# KiCad board 8851_HW-U1-VCU118_REV2-0_071417.kicad_pcb (continued)
## Routing (per net, layer and track width the routed paths; a pad name or vN(x,y) marks a point on that pad's centre or on a via; arc(x,y) is an arc through that point) (continued)
FMC_HPC1_LA13_N: length 142.9
  TOP w0.102: 132.62,48.57 v2(133.11,48.07) ; J2.D18 v3(152.9,159.5)
  18_SIG6 w0.075: 139.46,55.32 139.44,55.32 139.4,55.36 135.9,55.36 135.67,55.13 135.67,50.71 135.39,50.43 133.93,50.43 133.7,50.2 133.7,48.63 133.43,48.36 133.21,48.36 133.11,48.26 v2(133.11,48.07)
  18_SIG6 w0.087: v3(152.9,159.5) 153.66,160.26 154.59,160.26 154.91,159.94 154.91,155.44 159.38,150.97 159.38,146.31 158.53,145.46 158.53,144.81 158.69,144.65 158.97,144.65 159.38,144.25 159.38,140.43 161.04,138.76 161.04,131.95 159.81,130.72 159.81,129.78 161.25,128.35 161.25,127.25 164.02,124.48 164.02,116.28 162.3,114.56 161.15,114.56 159.59,113 159.59,111.93 158.16,110.49 158.16,109.38 156.76,107.98 156.35,107.98 155.96,107.58 155.96,106.36 156.69,105.63 156.69,104.89 155.98,104.18 155.98,102.83 153.55,100.4 152.24,100.4 151.98,100.14 151.98,99.51 151.45,98.98 150.66,98.98 150.35,98.68 147.89,98.68 146.95,97.73 146.95,96.85 148.11,95.68 148.11,92.31 143.56,87.76 143.56,70.49 139.8,66.73 139.8,59.98 140,59.78 140,55.66 139.67,55.32 139.46,55.32
FMC_HPC1_LA13_P: length 143.9
  TOP w0.102: 132.62,49.55 v2(133.11,49.06) ; J2.D17 v3(154.15,159.5)
  18_SIG6 w0.075: 139.46,55.59 139.43,55.56 135.82,55.56 135.47,55.21 135.47,50.79 135.31,50.63 133.93,50.63 133.93,50.64 133.8,50.64 133.5,50.33 133.5,50.29 133.5,49.3 133.5,48.71 133.35,48.56 133.19,48.56 133.11,48.64 v2(133.11,49.06)
  18_SIG6 w0.087: v3(154.15,159.5) 154.29,159.36 154.29,159.03 153.97,158.72 153.51,158.72 153.42,158.82 153.42,159.63 153.77,159.99 154.48,159.99 154.64,159.82 154.64,155.32 159.1,150.86 159.1,146.42 158.25,145.57 158.25,144.7 158.58,144.38 158.86,144.38 159.1,144.14 159.1,140.32 160.77,138.65 160.77,132.07 159.54,130.83 159.54,129.67 160.97,128.23 160.97,127.14 163.74,124.37 163.74,116.4 162.18,114.84 161.04,114.84 159.32,113.12 159.32,112.04 157.88,110.61 157.88,109.49 156.64,108.25 156.24,108.25 155.69,107.7 155.69,106.24 156.42,105.52 156.42,105.01 155.71,104.3 155.71,102.95 153.44,100.67 152.12,100.67 151.71,100.26 151.71,99.63 151.33,99.26 150.54,99.26 150.24,98.95 147.78,98.95 146.67,97.85 146.67,96.73 147.84,95.57 147.84,92.43 143.29,87.88 143.29,70.61 139.53,66.85 139.53,59.87 139.73,59.67 139.73,55.86 139.46,55.59
FMC_HPC1_LA14_N: length 143.5
  TOP w0.102: v3(151.65,158.25) J2.C19 ; 131.63,48.57 v2(132.12,48.07)
  20_SIG7 w0.075: v2(132.12,48.07) 131.54,48.66 131.54,50.28 131.38,50.44 130.8,50.44 130.55,50.69 130.55,62.19 130.8,62.44 132.31,62.44 132.52,62.65 132.52,66.09 132.81,66.38 139.43,66.38 139.47,66.42 139.49,66.42
  20_SIG7 w0.087: 139.49,66.42 141.86,66.42 145.15,69.71 145.15,81.63 151.62,88.1 151.62,93.37 155.45,97.2 155.45,100.22 155.84,100.61 155.84,101.53 156.19,101.88 163.09,101.88 164.15,102.94 164.15,104.14 165.85,105.84 165.85,122.33 163.71,124.47 163.71,128.18 162.19,129.7 162.19,131.68 159.23,134.65 159.23,139.98 158.22,140.99 158.22,149.17 152.14,155.25 152.14,157.76 v3(151.65,158.25)
FMC_HPC1_LA14_P: length 145
  TOP w0.102: J2.C18 v3(152.9,158.25) ; 131.63,49.55 v2(132.12,49.06)
  20_SIG7 w0.075: v2(132.12,49.06) 132.34,48.84 132.34,48.69 132.24,48.59 131.89,48.59 131.73,48.74 131.73,50.36 131.57,50.52 131.57,50.52 131.46,50.63 130.88,50.63 130.75,50.77 130.75,62.11 130.88,62.25 132.39,62.25 132.72,62.57 132.72,66.01 132.9,66.19 139.43,66.19 139.47,66.15 139.49,66.15
  20_SIG7 w0.087: 139.49,66.15 141.98,66.15 145.42,69.59 145.42,81.52 151.89,87.99 151.89,93.25 155.72,97.09 155.72,100.1 156.12,100.5 156.12,101.42 156.3,101.6 163.2,101.6 164.43,102.83 164.43,104.02 166.13,105.73 166.13,122.45 163.99,124.59 163.99,128.29 162.47,129.81 162.47,131.8 159.5,134.76 159.5,140.09 158.49,141.11 158.49,149.28 152.8,154.97 152.41,155.36 152.41,157.88 152.25,158.04 152.25,158.52 152.37,158.64 152.78,158.64 152.9,158.52 v3(152.9,158.25)
FMC_HPC1_LA15_N: length 149.8
  TOP w0.102: J2.H20 v3(150.4,164.5) ; 135.57,57.42 v2(136.06,56.93)
  18_SIG6 w0.075: v2(136.06,56.93) 135.85,56.93 135.76,56.85 135.76,56.65 135.87,56.54 138.19,56.54 138.42,56.77 138.42,68.06 138.71,68.35 139.5,68.35 139.54,68.39 139.57,68.39
  18_SIG6 w0.087: 139.57,68.39 139.76,68.39 142.35,70.98 142.35,89.56 143.6,90.81 143.6,95.26 145.75,97.42 145.75,98.22 146.43,98.89 146.43,99.82 147.12,100.51 149.55,100.51 149.83,100.79 149.83,101.85 150.73,102.75 153.55,102.75 154.34,103.55 154.34,105.46 154.53,105.65 154.53,108.15 155.6,109.22 156.13,109.22 156.7,109.79 156.7,110.81 158.19,112.3 158.19,115.49 161.23,118.53 161.23,120.33 161.53,120.63 162.51,120.63 162.65,120.76 162.65,121.29 162.51,121.42 161.53,121.42 161.23,121.72 161.23,122.47 161.53,122.77 162.51,122.77 162.65,122.9 162.65,123.43 162.51,123.56 161.53,123.56 161.23,123.86 161.23,124.76 159.26,126.74 159.26,127.15 159.86,127.76 159.86,127.95 159.49,128.32 159.3,128.32 158.69,127.72 158.28,127.72 157.83,128.17 157.83,132.53 159.24,133.94 159.24,138.94 155.72,142.46 155.72,145.79 156.64,146.7 157.84,146.7 157.93,146.79 157.93,147.41 157.84,147.5 157.17,147.5 156.88,147.79 156.88,148.53 156.74,148.66 155.55,148.66 155.26,148.95 155.26,149.71 155.55,150.01 158.07,150.01 158.15,150.09 158.15,150.51 157.86,150.8 155.55,150.8 155.22,151.13 155.22,151.85 155.74,152.37 155.74,152.87 155.6,153.02 154.59,153.02 154.3,153.31 154.3,154.25 153.89,154.66 151.25,154.66 150.89,155.02 150.89,164.01 v3(150.4,164.5)
FMC_HPC1_LA15_P: length 151
  TOP w0.102: v2(135.08,56.93) 134.58,57.42 134.58,57.42 ; v3(151.65,164.5) J2.H19
  18_SIG6 w0.075: 139.57,68.11 139.54,68.11 139.5,68.15 138.79,68.15 138.62,67.98 138.62,56.69 138.27,56.34 135.79,56.34 135.56,56.56 135.56,56.82 135.45,56.93 v2(135.08,56.93)
  18_SIG6 w0.087: v3(151.65,164.5) 151.29,164.5 151.16,164.37 151.16,155.14 151.37,154.93 154,154.93 154.57,154.36 154.57,153.42 154.7,153.29 155.71,153.29 156.02,152.99 156.02,152.25 155.5,151.74 155.5,151.24 155.66,151.08 157.97,151.08 158.42,150.63 158.42,149.98 158.18,149.73 155.66,149.73 155.53,149.6 155.53,149.07 155.66,148.94 156.86,148.94 157.15,148.64 157.15,147.91 157.28,147.77 157.95,147.77 158.2,147.52 158.2,146.68 157.95,146.43 156.75,146.43 156,145.68 156,142.57 159.51,139.06 159.51,133.82 158.1,132.41 158.1,128.28 158.39,127.99 158.58,127.99 159.19,128.6 159.6,128.6 160.14,128.06 160.14,127.64 159.53,127.04 159.53,126.85 161.51,124.87 161.51,123.97 161.64,123.84 162.63,123.84 162.92,123.54 162.92,122.79 162.63,122.49 161.64,122.49 161.51,122.36 161.51,121.83 161.64,121.7 162.63,121.7 162.92,121.4 162.92,120.65 162.63,120.35 161.64,120.35 161.51,120.22 161.51,118.42 158.47,115.38 158.47,112.19 156.97,110.69 156.97,109.67 156.24,108.94 155.72,108.94 154.81,108.04 154.81,105.54 154.62,105.34 154.62,103.43 153.66,102.48 150.85,102.48 150.11,101.74 150.11,100.68 149.66,100.24 147.23,100.24 146.7,99.71 146.7,98.78 146.03,98.1 146.03,97.3 143.87,95.15 143.87,90.7 142.63,89.45 142.63,70.87 139.87,68.11 139.57,68.11
FMC_HPC1_LA16_N: length 143.1
  TOP w0.102: 130.65,49.55 v2(131.14,49.06) ; v3(151.65,163.25) J2.G19
  20_SIG7 w0.075: v2(131.14,49.06) 130.74,49.45 129.91,49.45 129.57,49.8 129.57,63.09 129.9,63.42 130.36,63.42 130.55,63.62 130.55,64.41 131.54,65.4 131.54,67.02 131.87,67.36 139.44,67.36 139.49,67.4
  20_SIG7 w0.087: v3(151.65,163.25) 152.14,162.76 152.14,160.52 151.88,160.26 151.24,160.26 150.89,159.91 150.89,154.4 156.14,149.15 156.14,133.08 157.94,131.27 157.94,130.42 160.6,127.76 160.6,122.97 158.63,120.99 158.63,119.41 156.47,117.25 156.47,116.66 156.06,116.25 155.47,116.25 152.12,112.91 152.12,111.41 151.4,110.69 151.4,108.84 152.14,108.09 152.14,107.09 154.35,104.87 154.35,100.52 154.08,100.24 154.08,99.22 152.87,98 152.87,96.78 150.57,94.49 150.57,88.34 144.23,82 144.23,70.91 140.73,67.4 139.49,67.4
FMC_HPC1_LA16_P: length 143.3
  TOP w0.102: 130.65,50.53 v2(131.14,50.04) ; J2.G18 v3(152.9,163.25)
  20_SIG7 w0.075: 139.48,67.13 139.44,67.17 131.95,67.17 131.73,66.94 131.73,65.32 130.75,64.33 130.75,63.54 130.44,63.23 129.98,63.23 129.76,63.01 129.76,49.88 129.99,49.65 131.03,49.65 131.14,49.76 v2(131.14,50.04)
  20_SIG7 w0.087: 139.48,67.13 140.84,67.13 144.51,70.8 144.51,81.89 150.84,88.23 150.84,94.37 153.14,96.67 153.14,97.89 154.36,99.1 154.36,100.13 154.63,100.4 154.63,104.99 152.42,107.2 152.42,108.2 151.67,108.95 151.67,110.57 152.4,111.3 152.4,112.8 155.58,115.98 156.18,115.98 156.75,116.55 156.75,117.14 158.9,119.29 158.9,120.88 160.88,122.85 160.88,127.87 160.37,128.38 158.22,130.53 158.22,131.39 156.41,133.19 156.41,149.26 151.16,154.51 151.16,159.79 151.36,159.99 152,159.99 152.41,160.4 152.41,163.12 152.54,163.25 v3(152.9,163.25)
FMC_HPC1_LA17_CC_N: length 152.4
  TOP w0.102: v2(129.17,54.96) 128.68,55.46 ; J2.D21 v3(149.15,159.5)
  20_SIG7 w0.075: 139.41,68.11 139.37,68.15 130.97,68.15 130.75,67.92 130.75,65.02 130.04,64.32 129.04,64.32 128.78,64.05 128.78,55.07 128.89,54.96 v2(129.17,54.96)
  20_SIG7 w0.087: 139.41,68.11 140.58,68.11 143.61,71.14 143.61,87.21 149.93,93.54 149.93,94.9 150.66,95.62 150.66,97.93 151.86,99.14 151.86,100.25 151.3,100.81 151.3,101.65 150.12,102.83 150.12,107.79 150.54,108.21 150.54,110.86 151.53,111.85 151.53,113.43 154.68,116.58 154.68,117.67 155.12,118.12 155.86,118.12 157.93,120.19 157.93,121.66 159.86,123.6 159.86,126.25 157.83,128.29 157.48,128.29 156.84,127.65 156.72,127.65 156.47,127.9 156.47,128.03 157.1,128.66 157.1,129.01 156.7,129.42 156.34,129.42 155.71,128.79 155.59,128.79 155.34,129.03 155.34,129.16 155.97,129.79 155.97,130.14 154.9,131.22 154.9,142.5 154.41,142.99 153.92,142.99 153.78,143.12 153.78,143.52 153.92,143.65 154.54,143.65 155.01,144.12 155.01,145.35 154.42,145.94 152.66,145.94 152.37,146.22 152.37,146.41 153.83,147.86 153.83,148.28 153.39,148.72 152.97,148.72 151.52,147.27 151.33,147.27 151.05,147.55 151.05,147.73 152.5,149.19 152.5,149.61 151.85,150.26 149.76,150.26 149.62,150.39 149.62,150.92 149.76,151.06 150.98,151.06 151.38,151.45 151.38,152.01 150.98,152.4 150.02,152.4 149.5,152.93 149.5,153.31 150.08,153.88 150.08,154.48 149.83,154.73 148.79,154.73 148.66,154.86 148.66,159.79 148.86,159.99 149.52,159.99 149.81,159.7 149.81,159.38 149.7,159.27 149.38,159.27 v3(149.15,159.5)
FMC_HPC1_LA17_CC_P: length 152.2
  TOP w0.102: v2(128.19,54.96) 127.69,55.46 ; J2.D20 v3(150.4,159.5)
  20_SIG7 w0.075: v2(128.19,54.96) 128.58,55.36 128.58,64.13 128.96,64.52 129.96,64.52 130.55,65.1 130.55,68.01 130.89,68.35 139.37,68.35 139.41,68.39
  20_SIG7 w0.087: 139.41,68.39 140.47,68.39 143.33,71.26 143.33,87.33 149.66,93.65 149.66,95.01 150.38,95.73 150.38,98.04 151.59,99.25 151.59,100.14 151.03,100.7 151.03,101.54 149.85,102.72 149.85,107.91 150.27,108.33 150.27,110.97 151.26,111.96 151.26,113.55 154.41,116.69 154.41,117.79 155.01,118.39 155.74,118.39 157.65,120.3 157.65,121.77 159.59,123.71 159.59,126.14 157.71,128.01 157.59,128.01 156.96,127.38 156.61,127.38 156.2,127.79 156.2,128.14 156.83,128.77 156.83,128.89 156.58,129.14 156.46,129.14 155.83,128.51 155.48,128.51 155.07,128.92 155.07,129.27 155.7,129.9 155.7,130.03 154.62,131.1 154.62,142.39 154.3,142.71 153.8,142.71 153.51,143.01 153.51,143.63 153.8,143.93 154.42,143.93 154.73,144.23 154.73,145.24 154.3,145.66 152.54,145.66 152.1,146.11 152.1,146.52 153.56,147.98 153.56,148.17 153.27,148.45 153.09,148.45 151.63,146.99 151.22,146.99 150.77,147.43 150.77,147.85 152.23,149.3 152.23,149.49 151.73,149.99 149.64,149.99 149.35,150.28 149.35,151.04 149.64,151.33 150.87,151.33 151.1,151.56 151.1,151.89 150.87,152.13 149.91,152.13 149.22,152.81 149.22,153.42 149.8,154 149.8,154.37 149.71,154.46 148.68,154.46 148.39,154.75 148.39,159.9 148.75,160.26 149.64,160.26 v3(150.4,159.5)
FMC_HPC1_LA18_CC_N: length 154.6
  TOP w0.102: J2.C23 v3(146.65,158.25) ; 127.69,53.49 v2(128.19,52.99)
  20_SIG7 w0.075: 139.38,69.1 139.34,69.14 129.97,69.14 129.76,68.92 129.76,65.54 129.17,64.95 128.54,64.95 127.79,64.2 127.79,53.39 v2(128.19,52.99)
  20_SIG7 w0.087: 139.38,69.1 140.34,69.1 142.69,71.45 142.69,87.61 148.99,93.91 148.99,96.27 149.38,96.65 149.38,99.98 150.13,100.73 150.13,101.33 148.77,102.69 148.77,108.02 149.57,108.81 149.57,111.5 150.67,112.6 150.67,114.06 151.16,114.55 151.16,115.06 152.97,116.88 152.97,118.83 157.36,123.22 157.89,123.22 158.88,124.2 158.88,125.88 158.34,126.42 155.75,126.42 152.94,129.24 152.94,131.13 153.99,132.19 153.99,138.71 153.53,139.18 152.17,139.18 151.31,140.04 151.31,141.13 151.44,141.26 151.86,141.26 152.12,141.53 152.12,142.15 151.8,142.47 151.44,142.47 151.31,142.61 151.31,143 151.44,143.14 152.51,143.14 152.8,143.43 152.8,144.06 152.51,144.35 151.44,144.35 151.31,144.48 151.31,145.41 150.78,145.94 150.04,145.94 149.6,145.49 149.6,144.34 149.47,144.21 148.78,144.21 148.64,144.36 148.64,148.27 148.35,148.57 147.26,148.57 147.12,148.7 147.12,149.23 147.26,149.36 148.35,149.36 148.64,149.66 148.64,150.41 148.35,150.71 147.04,150.71 146.85,150.9 146.85,151.28 147.08,151.5 148.55,151.5 148.88,151.83 148.88,152.32 148.35,152.85 147.26,152.85 147,153.1 147,153.52 147.12,153.64 147.39,153.64 147.68,153.94 147.68,154.69 147.39,154.99 146.29,154.99 146.16,155.12 146.16,158.51 146.39,158.74 147.02,158.74 147.24,158.52 147.24,158.21 147.1,158.06 146.84,158.06 v3(146.65,158.25)
FMC_HPC1_LA18_CC_P: length 154.7
  TOP w0.102: J2.C22 v3(147.9,158.25) ; 126.71,53.49 v2(127.2,52.99)
  20_SIG7 w0.075: v2(127.2,52.99) 127.6,53.39 127.6,64.28 128.46,65.14 129.08,65.14 129.57,65.62 129.57,69.01 129.89,69.33 139.34,69.33 139.38,69.37
  20_SIG7 w0.087: 139.38,69.37 140.23,69.37 142.42,71.56 142.42,87.72 148.72,94.03 148.72,96.39 149.1,96.77 149.1,100.09 149.86,100.85 149.86,101.22 148.49,102.58 148.49,108.13 149.29,108.93 149.29,111.61 150.4,112.71 150.4,114.17 150.88,114.66 150.88,115.18 152.7,117 152.7,118.94 157.25,123.49 157.78,123.49 158.61,124.32 158.61,125.77 158.23,126.15 155.64,126.15 152.66,129.12 152.66,131.24 153.72,132.3 153.72,138.6 153.41,138.9 152.06,138.9 151.03,139.93 151.03,141.24 151.33,141.54 151.74,141.54 151.85,141.64 151.85,142.04 151.69,142.2 151.33,142.2 151.03,142.49 151.03,143.12 151.33,143.41 152.39,143.41 152.53,143.54 152.53,143.94 152.39,144.07 151.33,144.07 151.03,144.37 151.03,145.29 150.66,145.66 150.16,145.66 149.87,145.38 149.87,144.22 149.59,143.94 148.67,143.94 148.36,144.24 148.36,148.16 148.23,148.29 147.14,148.29 146.85,148.59 146.85,149.34 147.14,149.64 148.23,149.64 148.36,149.77 148.36,150.3 148.23,150.43 146.93,150.43 146.57,150.79 146.57,151.39 146.96,151.78 148.44,151.78 148.6,151.94 148.6,152.21 148.23,152.57 147.14,152.57 146.72,152.99 146.72,153.63 147.01,153.92 147.27,153.92 147.4,154.05 147.4,154.58 147.27,154.71 146.18,154.71 145.89,155.01 145.89,158.62 146.28,159.01 147.14,159.01 v3(147.9,158.25)
FMC_HPC1_LA19_N: length 148.7
  TOP w0.102: 132.62,53.49 v2(133.11,52.99) ; J2.H23 v3(146.65,164.5)
  18_SIG6 w0.075: 139.43,71.05 139.42,71.05 139.37,71.11 136.89,71.11 136.73,70.95 136.73,70.95 136.65,70.87 136.65,59.64 136.65,59.63 136.65,58.66 136.65,58.66 136.65,58.59 136.37,58.31 133.89,58.31 133.7,58.12 133.7,53.73 133.35,53.39 132.81,53.39 132.72,53.3 132.72,53.08 132.8,52.99 v2(133.11,52.99)
  18_SIG6 w0.087: 139.43,71.05 139.87,71.05 140.77,71.96 140.77,93.71 141.75,94.69 141.75,96.99 142.47,97.71 142.47,100.26 142.91,100.7 142.91,102.59 143.31,102.99 144.63,102.99 148.12,106.48 148.12,109.54 149.29,110.71 149.29,119.31 150.64,120.66 150.64,122.71 149.44,123.91 149.44,129.82 149.71,130.08 153.27,130.08 153.78,130.59 153.78,132.51 154.33,133.07 154.33,141.79 151.9,144.21 151.49,144.21 150.85,143.57 150.66,143.57 150.29,143.95 150.29,144.14 151.45,145.3 151.45,145.76 150.99,146.23 150.48,146.23 149.34,145.09 149.15,145.09 148.78,145.46 148.78,145.65 149.41,146.29 149.41,146.7 149.01,147.11 149.01,149.11 149.25,149.35 151.24,149.35 151.53,149.64 151.53,150.4 151.24,150.69 149.07,150.69 148.94,150.83 148.94,151.36 149.07,151.49 150.31,151.49 150.57,151.75 150.57,152.58 150.07,153.08 148.52,153.08 146.16,155.44 146.16,164.77 146.38,164.99 146.97,164.99 147.14,164.82 147.14,164.63 147,164.5 v3(146.65,164.5)
FMC_HPC1_LA19_P: length 149.5
  TOP w0.102: J2.H22 v3(147.9,164.5) ; 131.63,53.49 v2(132.12,52.99)
  18_SIG6 w0.075: v2(132.12,52.99) 132.45,52.99 132.52,53.06 132.52,53.38 132.72,53.59 132.8,53.59 132.81,53.58 133.27,53.58 133.5,53.81 133.5,58.21 133.81,58.51 136.29,58.51 136.45,58.67 136.45,58.74 136.45,58.74 136.45,70.95 136.53,71.03 136.53,71.04 136.59,71.09 136.6,71.09 136.81,71.3 139.41,71.3 139.43,71.33
  18_SIG6 w0.087: 139.43,71.33 139.75,71.33 140.5,72.07 140.5,93.82 141.47,94.8 141.47,97.1 142.2,97.83 142.2,100.37 142.64,100.81 142.64,102.71 143.2,103.27 144.52,103.27 147.85,106.6 147.85,109.65 149.02,110.83 149.02,119.43 150.36,120.77 150.36,122.6 149.17,123.79 149.17,129.93 149.6,130.36 153.16,130.36 153.5,130.7 153.5,132.62 154.06,133.18 154.06,141.67 151.79,143.94 151.6,143.94 150.96,143.3 150.55,143.3 150.01,143.83 150.01,144.25 151.18,145.41 151.18,145.65 150.88,145.95 150.59,145.95 149.45,144.81 149.04,144.81 148.5,145.35 148.5,145.76 149.14,146.4 149.14,146.59 148.74,146.99 148.74,149.22 149.14,149.62 151.12,149.62 151.26,149.76 151.26,150.29 151.12,150.42 148.95,150.42 148.66,150.71 148.66,151.47 148.95,151.76 150.2,151.76 150.3,151.86 150.3,152.47 149.96,152.81 148.41,152.81 145.89,155.33 145.89,164.88 146.27,165.26 147.08,165.26 147.41,164.93 147.41,164.63 147.54,164.5 v3(147.9,164.5)
FMC_HPC1_LA20_N: length 147.9
  TOP w0.102: 132.62,51.52 v2(133.11,51.03) ; J2.G22 v3(147.9,163.25)
  18_SIG6 w0.075: 139.51,70.08 139.49,70.08 139.45,70.12 137.74,70.12 137.64,70.01 137.64,57.65 137.31,57.32 134.83,57.32 134.68,57.17 134.68,51.7 134.4,51.42 133.5,51.42 v2(133.11,51.03)
  18_SIG6 w0.087: 139.51,70.08 140.23,70.08 141.69,71.54 141.69,92.04 142.68,93.03 142.68,96.68 145.18,99.18 145.18,100.46 146.66,101.93 147.73,101.93 148.76,102.96 148.76,103.71 154.83,109.78 154.83,112.67 156.67,114.51 156.67,115.12 159.15,117.6 159.15,125.77 157.31,127.6 155.56,127.6 154.96,128.2 154.96,130.62 156.43,132.09 156.43,140.91 154.55,142.79 154.55,148.34 153.5,149.39 152.61,149.39 152.47,149.52 152.47,150.05 152.61,150.18 154.23,150.18 154.47,150.43 154.47,151.28 154.23,151.53 151.9,151.53 151.62,151.8 151.62,152.18 151.77,152.32 153.3,152.32 153.59,152.61 153.59,153.59 153.19,154 148.93,154 147.41,155.52 147.41,163.48 147.67,163.74 148.27,163.74 148.54,163.47 148.54,163.2 148.44,163.11 148.04,163.11 v3(147.9,163.25)
FMC_HPC1_LA20_P: length 148.7
  TOP w0.102: 131.63,52.5 v2(132.12,52.01) ; J2.G21 v3(149.15,163.25)
  18_SIG6 w0.075: v2(132.12,52.01) 132.5,52.01 132.9,51.62 134.32,51.62 134.48,51.78 134.48,57.25 134.76,57.52 137.23,57.52 137.44,57.73 137.44,70.09 137.66,70.32 139.45,70.32 139.49,70.36 139.51,70.36
  18_SIG6 w0.087: 139.51,70.36 140.12,70.36 141.42,71.66 141.42,92.15 142.41,93.14 142.41,96.8 144.91,99.3 144.91,100.57 146.54,102.21 147.62,102.21 148.49,103.07 148.49,103.83 154.55,109.89 154.55,112.79 156.39,114.62 156.39,115.23 158.88,117.72 158.88,125.65 157.2,127.33 155.44,127.33 154.68,128.09 154.68,130.74 156.15,132.21 156.15,140.8 154.28,142.67 154.28,148.22 153.39,149.11 152.49,149.11 152.2,149.4 152.2,150.16 152.49,150.46 154.11,150.46 154.2,150.54 154.2,151.16 154.11,151.25 151.79,151.25 151.35,151.69 151.35,152.29 151.66,152.6 153.18,152.6 153.32,152.73 153.32,153.48 153.07,153.72 148.82,153.72 147.14,155.4 147.14,163.59 147.56,164.01 148.39,164.01 v3(149.15,163.25)
FMC_HPC1_LA21_N: length 147.5
  TOP w0.102: 130.65,52.5 v2(131.14,52.01) ; J2.H26 v3(142.9,164.5)
  18_SIG6 w0.075: v2(131.14,52.01) 130.78,52.01 130.67,52.12 130.67,52.24 130.75,52.32 130.75,60.11 130.91,60.28 134.34,60.28 134.68,60.62 134.68,61.03 134.68,61.03 134.68,61.65 134.68,61.65 134.68,72.94 134.82,73.07 138.27,73.07 138.62,73.42 138.62,87.9 138.66,87.94 138.66,87.97
  18_SIG6 w0.087: v3(142.9,164.5) 143.14,164.26 143.43,164.26 143.54,164.37 143.54,164.72 143.27,164.99 142.55,164.99 142.41,164.85 142.41,155.13 143.16,154.38 144.69,154.38 146.85,152.22 146.85,147.34 140.97,141.47 140.97,140.37 141.22,140.13 143,140.13 143.35,139.78 143.35,139.02 143.11,138.78 140.88,138.78 140.75,138.65 140.75,138.12 140.88,137.99 141.38,137.99 141.67,137.7 141.67,135.39 141.98,135.08 143.02,135.08 143.36,134.74 143.58,134.74 144.14,135.29 144.51,135.29 145.04,134.76 145.04,134.3 144.53,133.79 144.53,133.6 145.84,132.29 145.84,126.08 145.97,125.95 146.95,125.95 147.24,125.65 147.24,124.9 146.95,124.6 145.97,124.6 145.84,124.47 145.84,123.97 146.86,122.95 146.86,118.17 147.39,117.64 147.39,115.14 146,113.75 146,107.68 144.31,105.99 142.2,105.99 140.2,103.99 140.2,103.52 139,102.32 139,99.65 139.75,98.9 139.75,97.75 138.66,96.66 138.66,87.97
FMC_HPC1_LA21_P: length 147.3
  TOP w0.102: 129.66,52.5 v2(130.15,52.01) ; J2.H25 v3(144.15,164.5)
  18_SIG6 w0.075: 138.38,87.97 138.38,87.94 138.42,87.9 138.42,73.5 138.19,73.27 134.74,73.27 134.48,73.02 134.48,61.61 134.48,61.61 134.48,61.12 134.48,61.11 134.48,60.71 134.3,60.52 134.29,60.52 134.25,60.48 130.83,60.48 130.55,60.19 130.55,52.4 v2(130.15,52.01)
  18_SIG6 w0.087: v3(144.15,164.5) 143.39,165.26 142.44,165.26 142.14,164.96 142.14,155.01 143.04,154.11 144.58,154.11 146.57,152.11 146.57,147.46 140.7,141.58 140.7,140.26 141.11,139.85 142.89,139.85 143.07,139.67 143.07,139.14 143,139.06 140.77,139.06 140.47,138.77 140.47,138.01 140.77,137.71 141.26,137.71 141.39,137.58 141.39,135.28 141.87,134.81 142.9,134.81 143.25,134.46 143.69,134.46 144.25,135.02 144.39,135.02 144.77,134.64 144.77,134.41 144.26,133.9 144.26,133.48 145.57,132.17 145.57,125.97 145.86,125.67 146.83,125.67 146.97,125.54 146.97,125.01 146.83,124.88 145.86,124.88 145.57,124.58 145.57,123.85 146.58,122.84 146.58,118.06 147.12,117.53 147.12,115.25 145.73,113.87 145.73,107.79 144.2,106.26 142.08,106.26 139.93,104.11 139.93,103.63 138.72,102.43 138.72,99.54 139.47,98.79 139.47,97.86 138.38,96.77 138.38,87.97
FMC_HPC1_LA22_N: length 150.1
  TOP w0.102: v2(133.11,53.98) 132.62,54.47 ; J2.G25 v3(144.15,163.25)
  18_SIG6 w0.075: v2(133.11,53.98) 132.82,53.98 132.72,54.09 132.72,59.06 132.94,59.29 135.32,59.29 135.67,59.64 135.67,60.13 135.67,60.13 135.67,60.62 135.67,61.61 135.67,71.91 135.84,72.09 139.31,72.09 139.34,72.05 139.37,72.05
  18_SIG6 w0.087: 139.37,72.05 139.56,72.05 139.86,72.35 139.86,96.42 141.58,98.14 141.58,99.99 141.45,100.12 141.45,101.86 141.85,102.26 141.85,102.86 142.92,103.92 143.59,103.92 147,107.33 147,111.81 148.37,113.18 148.37,118.1 147.77,118.7 147.77,120.83 148.53,121.58 149.13,121.58 149.42,121.87 149.42,122.63 149.13,122.92 148.59,122.92 148.46,123.05 148.46,130.14 149.14,130.83 149.14,131.51 149.28,131.64 151.52,131.64 151.81,131.94 151.81,132.69 151.52,132.99 149.28,132.99 149.14,133.12 149.14,134.36 148.63,134.87 146.51,134.87 144.47,136.92 143.14,136.92 142.97,137.09 142.97,137.69 143.16,137.88 143.84,137.88 144.29,138.34 144.29,142.41 146.27,144.39 146.46,144.39 147.21,143.63 147.21,143.45 146.44,142.68 146.44,142.26 146.98,141.73 147.4,141.73 148.17,142.5 148.35,142.5 149.03,141.82 149.51,141.82 149.98,142.29 149.98,142.77 147.41,145.34 147.41,145.53 147.87,145.99 147.87,152.44 145.08,155.23 143.87,155.23 143.66,155.43 143.66,163.47 143.93,163.74 144.25,163.74 144.38,163.61 144.38,163.48 v3(144.15,163.25)
FMC_HPC1_LA22_P: length 151.4
  TOP w0.102: J2.G24 v3(145.4,163.25) ; v2(132.12,53.98) 131.63,54.47
  18_SIG6 w0.075: 139.41,72.33 139.34,72.33 139.31,72.29 135.76,72.29 135.47,71.99 135.47,61.65 135.47,61.65 135.47,61.03 135.47,61.03 135.47,60.71 135.47,60.71 135.47,60.05 135.47,60.05 135.47,59.72 135.24,59.49 132.86,59.49 132.52,59.15 132.52,54.09 132.41,53.98 v2(132.12,53.98)
  18_SIG6 w0.087: v3(145.4,163.25) 144.85,163.25 144.66,163.44 144.66,163.72 144.36,164.01 143.82,164.01 143.39,163.58 143.39,155.32 143.75,154.96 144.97,154.96 147.59,152.33 147.59,146.1 147.14,145.64 147.14,145.23 149.71,142.66 149.71,142.41 149.39,142.09 149.14,142.09 148.47,142.77 148.05,142.77 147.28,142 147.09,142 146.72,142.38 146.72,142.56 147.49,143.33 147.49,143.75 146.57,144.66 146.16,144.66 144.02,142.53 144.02,138.45 143.72,138.16 143.04,138.16 142.69,137.81 142.69,136.98 143.03,136.64 144.35,136.64 144.35,136.64 146.4,134.59 148.52,134.59 148.87,134.24 148.87,133.01 149.16,132.71 151.41,132.71 151.54,132.58 151.54,132.05 151.41,131.92 149.16,131.92 148.87,131.62 148.87,130.94 148.18,130.25 148.18,122.94 148.47,122.65 149.02,122.65 149.15,122.51 149.15,121.98 149.02,121.85 148.41,121.85 147.5,120.94 147.5,118.58 148.09,117.99 148.09,113.3 146.72,111.93 146.72,107.44 143.48,104.2 142.8,104.2 141.58,102.97 141.58,102.38 141.18,101.98 141.18,100.01 141.31,99.88 141.31,98.26 139.59,96.54 139.59,72.47 139.45,72.33 139.41,72.33
FMC_HPC1_LA23_N: length 151.6
  TOP w0.102: J2.D24 v3(145.4,159.5) ; 126.71,57.42 v2(127.2,56.93)
  20_SIG7 w0.075: v2(127.2,56.93) 126.92,56.93 126.81,57.04 126.81,65.98 127.01,66.18 127.04,66.18 127.04,66.18 128.52,66.18 128.78,66.44 128.78,69.92 128.97,70.12 139.42,70.12 139.46,70.08
  20_SIG7 w0.087: v3(145.4,159.5) 145.57,159.33 145.88,159.33 145.98,159.43 145.98,159.78 145.77,159.99 145.11,159.99 144.91,159.79 144.91,154.12 144.62,153.83 143.84,153.83 143.62,153.62 143.62,153.31 143.91,153.03 145.58,153.03 145.87,152.74 145.87,151.98 145.58,151.69 144.33,151.69 144.2,151.56 144.2,151.03 144.33,150.89 145.58,150.89 145.87,150.6 145.87,149.92 145.5,149.55 144.33,149.55 144.2,149.42 144.2,148.49 144.33,148.36 146,148.36 146.3,148.07 146.3,147.44 146,147.15 144.33,147.15 144.2,147.02 144.2,146.62 144.33,146.49 145.19,146.49 145.57,146.1 145.57,145.59 145.26,145.27 144.33,145.27 144.2,145.14 144.2,143.9 144.65,143.45 146.15,143.45 146.23,143.54 146.23,145.92 146.48,146.17 147.06,146.17 147.31,145.92 147.31,143.54 147.4,143.45 147.62,143.45 148.17,142.9 148.17,137.18 149.61,135.73 149.61,133.5 150.98,132.13 150.98,131.61 150.73,131.36 149.86,131.36 149.69,131.19 149.69,130.95 149.8,130.84 150.73,130.84 150.98,130.59 150.98,121.04 152.11,119.91 152.11,117.93 150.98,116.79 150.08,116.79 149.67,116.38 149.67,114.67 149.2,114.2 149.2,113.19 147.78,111.77 147.78,104.95 147.34,104.51 147.34,103.89 146.7,103.24 146.7,102.7 147.78,101.61 147.78,100.73 146.74,99.69 146.74,97.53 143.93,94.72 143.93,90.36 141.8,88.23 141.8,71.81 140.07,70.08 139.46,70.08
FMC_HPC1_LA23_P: length 151.8
  TOP w0.102: 125.73,57.42 v2(126.22,56.93) ; J2.D23 v3(146.65,159.5)
  20_SIG7 w0.075: 139.46,70.36 139.42,70.31 128.89,70.31 128.58,70.01 128.58,66.52 128.44,66.38 126.96,66.38 126.96,66.38 126.93,66.38 126.61,66.06 126.61,57.01 126.54,56.93 v2(126.22,56.93)
  20_SIG7 w0.087: v3(146.65,159.5) 145.89,160.26 144.99,160.26 144.64,159.91 144.64,154.24 144.5,154.1 143.72,154.1 143.35,153.73 143.35,153.2 143.79,152.76 145.47,152.76 145.6,152.63 145.6,152.1 145.47,151.96 144.22,151.96 143.93,151.67 143.93,150.91 144.22,150.62 145.47,150.62 145.6,150.49 145.6,150.04 145.38,149.82 144.22,149.82 143.93,149.53 143.93,148.38 144.22,148.09 145.89,148.09 146.02,147.95 146.02,147.56 145.89,147.42 144.22,147.42 143.93,147.13 143.93,146.5 144.22,146.21 145.07,146.21 145.3,145.99 145.3,145.71 145.14,145.55 144.22,145.55 143.93,145.25 143.93,143.79 144.53,143.18 146.26,143.18 146.51,143.43 146.51,145.81 146.6,145.89 146.95,145.89 147.03,145.81 147.03,143.43 147.28,143.18 147.5,143.18 147.9,142.78 147.9,137.06 149.34,135.62 149.34,133.39 150.71,132.02 150.71,131.73 150.62,131.64 149.75,131.64 149.42,131.31 149.42,130.84 149.69,130.56 150.62,130.56 150.71,130.48 150.71,120.93 151.83,119.8 151.83,118.04 150.86,117.07 149.96,117.07 149.39,116.5 149.39,114.79 148.92,114.32 148.92,113.3 147.51,111.89 147.51,105.06 147.07,104.62 147.07,104 146.42,103.36 146.42,102.58 147.51,101.5 147.51,100.84 146.47,99.8 146.47,97.65 143.65,94.83 143.65,90.48 141.52,88.35 141.52,71.92 139.95,70.36 139.46,70.36
FMC_HPC1_LA24_N: length 155.8
  TOP w0.102: J2.H29 v3(139.15,164.5) ; 127.69,54.47 v2(128.19,53.98)
  TOP w0.15: U1.AR13 v2(105.55,52.99)
  18_SIG6 w0.075: 136.72,88.36 136.72,88.34 136.67,88.29 136.67,85.99 136.63,85.95 136.63,83.32 136.65,83.3 136.65,75.36 136.33,75.04 132.89,75.04 132.71,74.87 132.71,62.58 132.38,62.25 129,62.25 128.78,62.02 128.78,54.7 128.45,54.38 127.88,54.38 127.78,54.28 127.78,54.08 127.89,53.98 v2(128.19,53.98)
  18_SIG6 w0.087: v3(139.15,164.5) 139.35,164.3 139.69,164.3 139.78,164.39 139.78,164.73 139.52,164.99 138.89,164.99 138.66,164.76 138.66,154.46 139.04,154.08 140.75,154.08 141.14,153.69 141.14,151.03 141.8,150.38 141.8,148.84 141.41,148.45 141.12,148.45 140.98,148.32 140.98,147.59 141.12,147.46 142.92,147.46 143.21,147.16 143.21,146.41 142.92,146.11 141.12,146.11 140.98,145.98 140.98,144.4 140.69,144.11 139.93,144.11 139.64,144.4 139.64,146.22 139.51,146.35 138.85,146.35 138.56,146.64 138.56,147.4 138.85,147.69 139.51,147.69 139.64,147.83 139.64,148.32 139.51,148.45 138.08,148.45 137.59,147.96 137.59,146.28 138.01,145.86 138.01,144.77 138.1,144.68 138.82,144.68 139.07,144.43 139.07,143.86 138.82,143.61 138.1,143.61 138.01,143.52 138.01,141.99 138.74,141.27 138.74,134.16 143.06,129.85 143.06,128.48 143.97,127.56 143.97,122.71 143.49,122.22 140.68,122.22 140.12,121.67 140.12,116.29 139.28,115.44 139.28,115.23 139.37,115.14 139.93,115.14 140.18,114.89 140.18,114.4 139.93,114.15 139.37,114.15 139.28,114.06 139.28,111.42 139.76,110.94 139.76,109.56 138.7,108.5 137.76,108.5 136.99,107.74 136.99,99.8 135.85,98.66 135.85,92.11 136.72,91.25 136.72,88.36
FMC_HPC1_LA24_P: length 155.2
  TOP w0.102: J2.H28 v3(140.4,164.5) ; 126.71,54.47 v2(127.2,53.98)
  18_SIG6 w0.075: v2(127.2,53.98) 127.51,53.98 127.59,54.06 127.59,54.36 127.8,54.57 128.37,54.57 128.58,54.78 128.58,62.1 128.92,62.44 132.3,62.44 132.52,62.66 132.52,74.95 132.8,75.24 136.25,75.24 136.46,75.44 136.46,83.22 136.44,83.24 136.44,86.03 136.47,86.07 136.47,88.31 136.44,88.34 136.44,88.36
  18_SIG6 w0.087: v3(140.4,164.5) 139.64,165.26 138.78,165.26 138.39,164.87 138.39,154.34 138.92,153.81 140.64,153.81 140.87,153.58 140.87,150.92 141.53,150.26 141.53,148.95 141.3,148.73 141,148.73 140.71,148.43 140.71,147.48 141,147.18 142.81,147.18 142.94,147.05 142.94,146.52 142.81,146.39 141,146.39 140.71,146.09 140.71,144.52 140.58,144.38 140.05,144.38 139.91,144.52 139.91,146.33 139.62,146.62 138.96,146.62 138.83,146.76 138.83,147.29 138.96,147.42 139.62,147.42 139.91,147.71 139.91,148.43 139.62,148.73 137.97,148.73 137.32,148.07 137.32,146.17 137.74,145.75 137.74,144.66 137.99,144.41 138.71,144.41 138.8,144.32 138.8,143.97 138.71,143.88 137.99,143.88 137.74,143.63 137.74,141.88 138.46,141.15 138.46,134.05 142.78,129.73 142.78,128.36 143.7,127.44 143.7,122.83 143.37,122.5 140.56,122.5 139.85,121.78 139.85,116.4 139,115.56 139,115.11 139.25,114.86 139.81,114.86 139.9,114.78 139.9,114.51 139.81,114.43 139.25,114.43 139,114.18 139,111.3 139.48,110.82 139.48,109.67 138.59,108.77 137.64,108.77 136.72,107.85 136.72,99.92 135.57,98.78 135.57,92 136.44,91.13 136.44,88.36
FMC_HPC1_LA25_N: length 149.5
  TOP w0.102: 129.66,53.49 v2(130.15,52.99) ; J2.G28 v3(140.4,163.25)
  18_SIG6 w0.075: 137.67,88.45 137.67,88.43 137.63,88.38 137.63,85.92 137.65,85.89 137.65,83.13 137.63,83.11 137.63,74.37 137.33,74.06 133.89,74.06 133.7,73.87 133.7,61.59 133.36,61.26 129.99,61.26 129.76,61.03 129.76,53.08 129.84,52.99 v2(130.15,52.99)
  18_SIG6 w0.087: v3(140.4,163.25) 140.73,162.92 140.9,162.92 140.98,162.99 140.98,163.53 140.77,163.74 140.16,163.74 139.91,163.49 139.91,155.33 140.14,155.11 141.4,155.11 142.07,154.44 142.07,153.55 142.2,153.42 144.11,153.42 144.41,153.11 144.41,152.38 144.11,152.07 142.41,152.07 142.28,151.93 142.28,151.41 142.41,151.28 145.41,151.28 145.71,150.98 145.71,150.23 145.41,149.93 143.34,149.93 143.25,149.84 143.25,149.22 143.34,149.14 145.41,149.14 145.71,148.84 145.71,147.61 139.76,141.66 139.76,134.41 141.16,133 143.76,133 144.91,131.85 144.91,119.86 145.42,119.35 145.42,118.19 146.29,117.32 146.29,115.48 144.9,114.09 144.9,113.31 144.6,113.01 141.15,113.01 141.03,112.89 141.03,108.39 140.63,107.99 139.42,107.99 138.96,107.53 138.07,107.53 137.91,107.37 137.91,99.5 137.12,98.71 137.12,92.72 137.67,92.17 137.67,88.45
FMC_HPC1_LA25_P: length 149.5
  TOP w0.102: J2.G27 v3(141.65,163.25) ; 128.68,53.49 v2(129.17,52.99)
  18_SIG6 w0.075: 137.4,88.45 137.4,88.43 137.43,88.39 137.43,85.84 137.46,85.81 137.46,83.21 137.44,83.19 137.44,74.45 137.24,74.26 133.81,74.26 133.5,73.95 133.5,61.68 133.28,61.46 129.91,61.46 129.56,61.11 129.56,53.08 129.48,52.99 v2(129.17,52.99)
  18_SIG6 w0.087: 137.4,88.45 137.4,92.05 136.85,92.6 136.85,98.83 137.64,99.61 137.64,107.49 137.96,107.81 138.85,107.81 139.3,108.26 140.51,108.26 140.76,108.51 140.76,113.01 141.04,113.29 144.49,113.29 144.62,113.42 144.62,114.21 146.01,115.6 146.01,117.21 145.15,118.08 145.15,119.24 144.64,119.75 144.64,131.74 143.65,132.72 141.05,132.72 139.48,134.29 139.48,141.77 145.43,147.72 145.43,148.73 145.3,148.86 143.22,148.86 142.97,149.11 142.97,149.96 143.22,150.21 145.3,150.21 145.43,150.34 145.43,150.87 145.3,151 142.3,151 142,151.3 142,152.05 142.3,152.35 143.99,152.35 144.14,152.5 144.14,153 144,153.14 142.08,153.14 141.79,153.44 141.79,154.33 141.28,154.83 140.02,154.83 139.64,155.22 139.64,163.61 140.04,164.01 140.89,164.01 v3(141.65,163.25)
FMC_HPC1_LA26_N: length 157.6
  TOP w0.102: J2.D27 v3(141.65,159.5) ; 123.76,56.44 v2(124.25,55.95)
  20_SIG7 w0.075: 139.39,72.05 139.35,72.09 126.99,72.09 126.81,71.91 126.81,68.5 126.46,68.15 124.08,68.15 123.86,67.93 123.86,56.26 123.74,56.15 123.74,55.89 123.89,55.74 124.04,55.74 v2(124.25,55.95)
  20_SIG7 w0.087: v3(141.65,159.5) 142.18,159.5 142.27,159.59 142.27,159.74 142.02,159.99 141.31,159.99 141.16,159.84 141.16,155.21 140.7,154.75 138.98,154.75 138.84,154.61 138.84,152.5 138.43,152.1 136.55,152.1 136.35,151.9 136.35,151.5 136.55,151.3 139.51,151.3 139.82,150.99 139.82,148.4 139.51,148.09 138.08,148.09 137.94,147.95 137.94,143.03 138.67,142.31 142.58,142.31 142.88,142.01 142.88,141.26 142.58,140.96 139.94,140.96 139.8,140.83 139.8,140.07 139.94,139.94 143.36,139.94 143.65,139.65 143.65,138.89 143.36,138.59 142.95,138.59 142.82,138.46 142.82,137.27 142.55,137 141.8,137 141.48,137.32 141.48,138.46 141.34,138.59 139.94,138.59 139.8,138.46 139.8,137.69 143.24,134.25 143.24,133.45 148.39,128.29 148.39,126.39 147.71,125.71 147.71,118.17 147.93,117.94 147.93,115.46 145.98,113.5 145.98,106.33 143.05,103.4 143.05,100.92 143.77,100.2 143.77,97.67 141.48,95.38 141.48,90.52 139.91,88.95 139.91,72.34 139.62,72.05 139.39,72.05
FMC_HPC1_LA26_P: length 157.4
  TOP w0.102: 122.77,56.44 v2(123.26,55.95) ; J2.D26 v3(142.9,159.5)
  20_SIG7 w0.075: 139.39,72.33 139.35,72.28 126.91,72.28 126.61,71.99 126.61,68.58 126.38,68.35 124,68.35 123.66,68.01 123.66,56.34 v2(123.26,55.95)
  20_SIG7 w0.087: 139.39,72.33 139.51,72.33 139.63,72.45 139.63,89.06 141.21,90.64 141.21,95.5 143.5,97.78 143.5,100.09 142.78,100.81 142.78,103.52 145.7,106.44 145.7,113.62 147.66,115.57 147.66,117.83 147.43,118.05 147.43,125.82 148.12,126.5 148.12,128.18 142.96,133.33 142.96,134.14 139.53,137.57 139.53,138.58 139.82,138.87 141.46,138.87 141.75,138.58 141.75,137.44 141.91,137.28 142.44,137.28 142.55,137.38 142.55,138.58 142.84,138.87 143.25,138.87 143.38,139 143.38,139.53 143.25,139.66 139.82,139.66 139.53,139.96 139.53,140.94 139.82,141.24 142.47,141.24 142.6,141.37 142.6,141.9 142.47,142.03 138.55,142.03 137.67,142.92 137.67,148.07 137.96,148.36 139.4,148.36 139.54,148.51 139.54,150.88 139.4,151.03 136.44,151.03 136.07,151.39 136.07,152.01 136.43,152.37 138.32,152.37 138.57,152.62 138.57,154.73 138.86,155.02 140.58,155.02 140.89,155.33 140.89,159.95 141.2,160.26 142.14,160.26 v3(142.9,159.5)
FMC_HPC1_LA27_N: length 155.2
  TOP w0.102: 124.74,55.46 v2(125.23,54.96) ; J2.C27 v3(141.65,158.25)
  20_SIG7 w0.075: 139.4,71.07 139.39,71.07 139.35,71.11 127.94,71.11 127.79,70.96 127.79,67.52 127.44,67.17 124.99,67.17 124.84,67.02 124.84,55.36 v2(125.23,54.96)
  20_SIG7 w0.087: v3(141.65,158.25) 142.41,159.01 143.32,159.01 143.66,158.67 143.66,155.28 143.31,154.92 142.53,154.92 142.28,154.67 142.28,153.83 141.99,153.54 139.88,153.54 139.75,153.41 139.75,152.83 139.84,152.74 142.95,152.74 143.24,152.45 143.24,151.69 142.95,151.4 141.16,151.4 141.07,151.31 141.07,150.69 141.16,150.6 142.6,150.6 143.05,150.15 143.05,149.49 142.67,149.1 140.92,149.1 140.78,148.97 140.78,148.44 140.92,148.31 142.95,148.31 143.24,148.01 143.24,147.26 142.95,146.96 140.92,146.96 140.78,146.83 140.78,146.3 140.92,146.17 142.95,146.17 143.24,145.87 143.24,145.12 142.95,144.82 140.92,144.82 140.73,144.64 140.73,144.22 140.92,144.03 142.95,144.03 143.24,143.73 143.24,143.01 144.61,141.64 144.61,134.02 149.26,129.38 149.26,125.38 149.01,125.13 148.68,125.13 148.59,125.05 148.59,124.78 148.68,124.7 149.01,124.7 149.26,124.45 149.26,123.96 149.01,123.71 148.68,123.71 148.59,123.62 148.59,121.98 148.71,121.87 149.4,121.87 149.77,121.5 149.77,120.4 149.22,119.85 149.22,118.59 148.8,118.17 148.8,115.06 148.31,114.57 148.31,113.65 146.86,112.19 146.86,105.32 145.34,103.81 145.34,103.21 145.79,102.77 145.79,101.08 145.29,100.58 145.29,98.93 145.49,98.73 145.49,97.57 142.38,94.46 142.38,90.1 140.84,88.56 140.84,72.09 139.81,71.07 139.4,71.07
FMC_HPC1_LA27_P: length 155.2
  TOP w0.102: 123.76,55.46 v2(124.25,54.96) ; J2.C26 v3(142.9,158.25)
  20_SIG7 w0.075: 139.4,71.34 139.37,71.3 127.86,71.3 127.59,71.04 127.59,67.6 127.36,67.37 124.91,67.37 124.64,67.1 124.64,54.94 124.55,54.85 124.37,54.85 v2(124.25,54.96)
  20_SIG7 w0.087: 139.4,71.34 139.7,71.34 140.56,72.21 140.56,88.67 142.1,90.21 142.1,94.57 145.21,97.68 145.21,98.61 145.01,98.81 145.01,100.69 145.51,101.19 145.51,102.66 145.07,103.1 145.07,103.92 146.58,105.44 146.58,112.31 148.04,113.77 148.04,114.69 148.53,115.18 148.53,118.28 148.95,118.7 148.95,119.97 149.49,120.51 149.49,121.39 149.29,121.59 148.59,121.59 148.32,121.87 148.32,123.74 148.56,123.98 148.89,123.98 148.98,124.07 148.98,124.33 148.89,124.42 148.56,124.42 148.32,124.67 148.32,125.16 148.56,125.41 148.89,125.41 148.98,125.5 148.98,129.27 144.34,133.91 144.34,141.53 142.96,142.9 142.96,143.62 142.83,143.75 140.8,143.75 140.45,144.1 140.45,144.75 140.8,145.1 142.83,145.1 142.96,145.23 142.96,145.76 142.83,145.89 140.8,145.89 140.51,146.19 140.51,146.94 140.8,147.24 142.83,147.24 142.96,147.37 142.96,147.9 142.83,148.03 140.8,148.03 140.51,148.33 140.51,149.08 140.8,149.38 142.55,149.38 142.78,149.6 142.78,150.04 142.49,150.33 141.05,150.33 140.8,150.58 140.8,151.42 141.05,151.67 142.83,151.67 142.96,151.8 142.96,152.33 142.83,152.47 139.72,152.47 139.47,152.72 139.47,153.53 139.76,153.81 141.87,153.81 142,153.94 142,154.79 142.41,155.2 143.2,155.2 143.39,155.39 143.39,158.56 143.21,158.74 142.53,158.74 142.32,158.54 142.32,158.15 142.46,158.02 142.67,158.02 v3(142.9,158.25)
FMC_HPC1_LA28_N: length 147.8
  TOP w0.102: 131.63,51.52 v2(132.12,51.03) ; J2.H32 v3(135.4,164.5)
  18_SIG6 w0.075: 134.47,88.44 134.47,88.42 134.5,88.38 134.5,86.13 134.47,86.1 134.47,82.96 134.49,82.94 134.49,77.37 134.32,77.21 130.86,77.21 130.55,76.9 130.55,65.15 129.93,64.53 125.97,64.53 125.63,64.18 125.63,52.69 125.91,52.41 129.39,52.41 129.56,52.24 129.56,50.75 129.87,50.44 131.45,50.44 131.7,50.69 131.7,50.92 131.81,51.03 v2(132.12,51.03)
  18_SIG6 w0.087: 134.47,88.44 134.47,90.11 132.87,91.71 132.87,93.39 133.75,94.26 133.75,99.45 134.85,100.55 134.85,108.05 134.32,108.58 134.32,111.27 135.16,112.1 135.16,115.45 136.16,116.45 137.17,116.45 137.85,117.13 137.85,123.88 137.22,124.52 137.22,127.77 136.58,128.41 136.58,131.59 135.5,132.67 135.5,141.89 135,142.4 134.34,142.4 128.68,148.05 126.88,148.05 126.42,148.51 126.42,149.11 126.84,149.53 132.32,149.53 134.43,151.65 134.43,154.35 134.96,154.88 135.67,154.88 135.89,155.09 135.89,164.01 v3(135.4,164.5)
FMC_HPC1_LA28_P: length 147.6
  TOP w0.102: 130.65,51.52 v2(131.14,51.03) ; J2.H31 v3(136.65,164.5)
  18_SIG6 w0.075: 134.75,88.44 134.75,88.42 134.7,88.37 134.7,86.05 134.66,86.02 134.66,83.04 134.68,83.02 134.68,77.29 134.41,77.01 130.94,77.01 130.75,76.82 130.75,65.07 130.01,64.33 126.05,64.33 125.82,64.1 125.82,52.77 125.99,52.6 129.47,52.6 129.76,52.32 129.76,50.83 129.95,50.63 131.37,50.63 131.51,50.77 131.51,50.93 131.41,51.03 v2(131.14,51.03)
  18_SIG6 w0.087: 134.75,88.44 134.75,90.22 133.15,91.82 133.15,93.27 134.03,94.15 134.03,99.34 135.13,100.44 135.13,108.16 134.6,108.69 134.6,111.15 135.43,111.99 135.43,115.34 136.28,116.18 137.29,116.18 138.12,117.01 138.12,124 137.49,124.63 137.49,127.89 136.86,128.52 136.86,131.7 135.78,132.78 135.78,142.01 135.11,142.67 134.45,142.67 128.79,148.33 127,148.33 126.7,148.62 126.7,149 126.96,149.26 132.43,149.26 134.71,151.53 134.71,154.24 135.07,154.6 135.79,154.6 136.16,154.98 136.16,164.56 136.31,164.71 136.44,164.71 v3(136.65,164.5)
FMC_HPC1_LA29_N: length 155.4
  TOP w0.102: J2.G31 v3(136.65,163.25) ; 126.71,56.44 v2(127.2,55.95)
  18_SIG6 w0.075: v2(127.2,55.95) 126.93,55.95 126.84,55.86 126.84,55.69 126.98,55.55 127.44,55.55 127.6,55.71 127.6,63.13 127.9,63.43 131.32,63.43 131.54,63.65 131.54,75.9 131.86,76.22 135.28,76.22 135.47,76.41 135.47,83.22 135.49,83.23 135.49,85.83 135.45,85.87 135.45,88.3 135.41,88.34 135.41,88.35
  18_SIG6 w0.087: 135.41,88.35 135.41,90.74 133.96,92.19 133.96,93.2 134.62,93.86 134.62,99.07 135.78,100.23 135.78,108.62 136.33,109.16 136.33,110.58 138.07,112.33 138.07,116.06 138.82,116.81 138.82,122.02 138.94,122.14 138.94,122.16 140.51,123.73 140.51,125.39 139.92,125.99 139.92,128.32 139.78,128.46 137.83,128.46 137.45,128.84 137.45,129.91 137.86,130.32 140.05,130.32 140.19,130.45 140.19,130.98 140.05,131.11 137.86,131.11 137.57,131.41 137.57,131.99 136.62,132.93 136.62,134.8 136.91,135.1 137.34,135.1 137.47,135.23 137.47,135.76 137.34,135.89 136.91,135.89 136.62,136.19 136.62,136.94 136.91,137.24 137.34,137.24 137.47,137.37 137.47,137.9 137.34,138.03 136.91,138.03 136.62,138.33 136.62,139.08 136.91,139.38 137.34,139.38 137.47,139.51 137.47,140.04 137.34,140.17 136.91,140.17 136.62,140.47 136.62,145.54 136.33,145.83 135.74,145.83 135.61,145.7 135.61,143.84 135.31,143.55 134.56,143.55 134.26,143.84 134.26,145.7 134.13,145.83 132.41,145.83 131.06,147.18 131.06,148.2 131.45,148.58 133.55,148.58 134.21,147.93 135.38,147.93 136,148.55 136,150 136.25,150.25 137.75,150.25 137.88,150.38 137.88,151.18 138.18,151.47 138.93,151.47 139.23,151.18 139.23,150.07 139.35,149.95 139.85,149.95 139.97,150.08 139.97,152 139.74,152.23 137.77,152.23 137.31,152.69 137.31,154.98 137.14,155.15 137.14,163.12 137,163.25 v3(136.65,163.25)
FMC_HPC1_LA29_P: length 155.9
  TOP w0.102: J2.G30 v3(137.9,163.25) ; 125.73,56.44 v2(126.22,55.95)
  18_SIG6 w0.075: v2(126.22,55.95) 126.57,55.95 126.65,55.87 126.65,55.6 126.9,55.36 127.52,55.36 127.79,55.62 127.79,63.05 127.98,63.23 131.4,63.23 131.73,63.57 131.73,75.82 131.94,76.03 135.36,76.03 135.67,76.33 135.67,83.14 135.68,83.15 135.68,85.91 135.65,85.95 135.65,88.29 135.69,88.33 135.69,88.35
  18_SIG6 w0.087: 135.69,88.35 135.69,90.85 134.23,92.31 134.23,93.08 134.9,93.75 134.9,98.96 136.06,100.12 136.06,108.51 136.6,109.05 136.6,110.47 138.34,112.21 138.34,115.94 139.1,116.7 139.1,121.91 139.22,122.03 139.22,122.05 140.54,123.37 140.56,123.37 140.79,123.6 140.79,125.51 140.19,126.1 140.19,128.43 139.89,128.73 137.94,128.73 137.72,128.95 137.72,129.79 137.98,130.04 140.17,130.04 140.46,130.34 140.46,131.09 140.17,131.39 137.98,131.39 137.84,131.52 137.84,132.1 136.9,133.05 136.9,134.69 137.03,134.82 137.45,134.82 137.74,135.12 137.74,135.87 137.45,136.17 137.03,136.17 136.9,136.3 136.9,136.83 137.03,136.96 137.45,136.96 137.74,137.26 137.74,138.01 137.45,138.31 137.03,138.31 136.9,138.44 136.9,138.97 137.03,139.1 137.45,139.1 137.74,139.4 137.74,140.15 137.45,140.45 137.03,140.45 136.9,140.58 136.9,145.66 136.44,146.11 135.63,146.11 135.33,145.81 135.33,143.95 135.2,143.82 134.67,143.82 134.54,143.95 134.54,145.81 134.24,146.11 132.52,146.11 131.34,147.29 131.34,148.08 131.56,148.31 133.43,148.31 134.09,147.65 135.49,147.65 136.28,148.44 136.28,149.88 136.36,149.97 137.86,149.97 138.16,150.26 138.16,151.06 138.29,151.2 138.82,151.2 138.95,151.06 138.95,149.96 139.24,149.68 139.96,149.68 140.25,149.96 140.25,152.11 139.86,152.5 137.88,152.5 137.58,152.81 137.58,155.09 137.41,155.26 137.41,162.76 v3(137.9,163.25)
FMC_HPC1_LA30_N: length 156.6
  TOP w0.102: v2(124.25,52.99) 123.76,53.49 ; J2.H35 v3(131.65,164.5)
  18_SIG6 w0.075: 131.76,88.26 131.76,88.24 131.71,88.19 131.71,86.01 131.75,85.97 131.75,83.05 131.73,83.03 131.73,79.29 131.42,78.98 129,78.98 128.78,78.76 128.78,66.51 128.45,66.18 124.07,66.18 123.86,65.97 123.86,53.08 123.94,52.99 v2(124.25,52.99)
  18_SIG6 w0.087: v3(131.65,164.5) 131.98,164.5 132.12,164.63 132.12,164.86 131.98,164.99 131.3,164.99 131.16,164.85 131.16,156.68 131.33,156.51 131.97,156.51 132.41,156.07 132.41,152.29 131.74,151.62 122.07,151.62 121.79,151.9 119.94,151.9 119.51,152.33 119.51,153.7 120.17,154.36 120.17,154.94 119.89,155.23 119.05,155.23 118.63,154.8 118.63,149.59 120.2,148.01 121.13,148.01 122.85,146.29 126.63,146.29 132.31,140.61 132.31,135.61 133.88,134.05 133.88,130.88 134.31,130.45 134.31,127.57 135.41,126.47 135.41,125.54 134.56,124.69 134.56,117.18 133.42,116.05 133.42,114.2 131.57,112.35 131.57,101.15 130.67,100.24 130.67,89.59 131.76,88.5 131.76,88.26
FMC_HPC1_LA30_P: length 157.4
  TOP w0.102: J2.H34 v3(132.9,164.5) ; v2(123.26,52.99) 122.77,53.49
  18_SIG6 w0.075: v2(123.26,52.99) 123.58,52.99 123.66,53.08 123.66,66.05 123.99,66.38 128.37,66.38 128.58,66.59 128.58,78.84 128.91,79.18 131.34,79.18 131.53,79.37 131.53,83.11 131.55,83.13 131.55,85.89 131.52,85.93 131.52,88.22 131.48,88.25 131.48,88.26
  18_SIG6 w0.087: v3(132.9,164.5) 132.14,165.26 131.19,165.26 130.89,164.96 130.89,156.56 131.21,156.24 131.85,156.24 132.14,155.95 132.14,152.4 131.63,151.9 122.19,151.9 121.91,152.18 120.05,152.18 119.78,152.44 119.78,153.58 120.45,154.25 120.45,155.05 120,155.5 118.94,155.5 118.35,154.92 118.35,149.47 120.09,147.74 121.01,147.74 122.73,146.02 126.52,146.02 132.04,140.5 132.04,135.5 133.6,133.94 133.6,130.77 134.03,130.34 134.03,127.46 135.13,126.35 135.13,125.65 134.28,124.8 134.28,117.3 133.15,116.16 133.15,114.31 131.3,112.46 131.3,101.26 130.39,100.36 130.39,89.47 131.48,88.38 131.48,88.26
FMC_HPC1_LA31_N: length 155.3
  TOP w0.102: J2.G34 v3(132.9,163.25) ; v2(125.23,52.99) 124.74,53.49
  18_SIG6 w0.075: v2(125.23,52.99) 125.23,53.33 125.19,53.38 124.85,53.38 124.64,53.59 124.64,64.51 125.42,65.29 129.25,65.29 129.56,65.6 129.56,77.9 129.86,78.19 133.3,78.19 133.5,78.4 133.5,83.1 133.52,83.11 133.52,85.8 133.48,85.84 133.48,87.74 133.14,88.09 133.09,88.09 133.07,88.11
  18_SIG6 w0.087: 133.07,88.11 131.31,89.87 131.31,93.77 132.82,95.29 132.82,99.06 132.57,99.31 132.57,110.83 134.22,112.48 134.22,115.94 135.21,116.93 135.21,124.25 136.08,125.11 136.08,127.59 135.61,128.05 135.61,131.1 134.55,132.17 134.55,135.64 134.41,135.77 133.2,135.77 132.9,136.07 132.9,136.83 133.19,137.12 134.47,137.12 134.6,137.25 134.6,137.78 134.47,137.91 133.28,137.91 132.99,138.21 132.99,138.97 133.28,139.26 134.41,139.26 134.55,139.39 134.55,139.88 127.3,147.13 124.87,147.13 124.58,147.42 124.58,148.86 124.41,149.03 123.93,149.03 123.78,148.88 123.78,147.42 123.49,147.13 122.94,147.13 122.56,147.5 122.56,148.36 122.17,148.74 120.38,148.74 119.83,149.29 119.83,150.12 120.2,150.49 131.97,150.49 133.39,151.91 133.39,162.93 133.07,163.25 v3(132.9,163.25)
FMC_HPC1_LA31_P: length 154.8
  TOP w0.102: J2.G33 v3(134.15,163.25) ; 124.74,54.47 v2(125.23,53.98)
  18_SIG6 w0.075: 133.27,88.3 133.28,88.28 133.28,88.22 133.68,87.82 133.68,85.92 133.71,85.88 133.71,83.03 133.7,83.02 133.7,78.32 133.38,78 129.94,78 129.76,77.82 129.76,65.52 129.33,65.09 125.5,65.09 124.84,64.43 124.84,53.67 124.93,53.58 125.14,53.58 125.23,53.67 v2(125.23,53.98)
  18_SIG6 w0.087: v3(134.15,163.25) 133.66,162.76 133.66,151.79 132.08,150.21 120.31,150.21 120.11,150.01 120.11,149.4 120.49,149.02 122.29,149.02 122.84,148.47 122.84,147.62 123.05,147.4 123.38,147.4 123.51,147.54 123.51,149 123.81,149.3 124.53,149.3 124.85,148.97 124.85,147.54 124.99,147.4 127.42,147.4 134.82,140 134.82,139.28 134.53,138.98 133.4,138.98 133.26,138.85 133.26,138.32 133.4,138.19 134.58,138.19 134.88,137.9 134.88,137.14 134.58,136.84 133.31,136.84 133.18,136.71 133.18,136.18 133.31,136.05 134.53,136.05 134.82,135.75 134.82,132.28 135.89,131.22 135.89,128.17 136.35,127.7 136.35,125 135.49,124.13 135.49,116.81 134.5,115.82 134.5,112.36 132.85,110.71 132.85,99.42 133.1,99.17 133.1,95.17 131.58,93.66 131.58,89.99 133.27,88.3
FMC_HPC1_LA32_N: length 157.8
  TOP w0.102: 121.79,53.49 v2(122.28,52.99) ; J2.H38 v3(127.9,164.5)
  18_SIG6 w0.075: v2(122.28,52.99) 122.28,53.31 122.21,53.38 121.91,53.38 121.69,53.6 121.69,68.03 122.01,68.35 126.44,68.35 126.61,68.51 126.61,81.83 126.91,82.13 128.41,82.13 128.58,82.3 128.58,83.03 128.56,83.05 128.56,85.7 128.6,85.73 128.6,88.08 128.57,88.11 128.57,88.83 128.51,88.88 128.51,88.89
  18_SIG6 w0.087: v3(127.9,164.5) 128.39,164.01 128.39,154.2 128.11,153.93 123.88,153.93 123.75,154.05 123.75,159.44 121.26,161.93 117.22,161.93 116.43,161.13 116.43,147.61 118.66,145.37 119.08,145.37 119.35,145.65 119.54,145.65 119.82,145.37 119.82,145.18 119.55,144.9 119.55,144.49 120,144.04 121.57,144.04 122.17,143.44 124.93,143.44 127.64,140.73 127.64,133 128.15,132.5 128.81,132.5 131.19,130.12 131.19,122.7 130.29,121.81 130.29,115.1 128.57,113.39 128.57,111.67 129,111.25 129,105.38 128.2,104.58 128.2,100.24 128.51,99.92 128.51,88.89
FMC_HPC1_LA32_P: length 157.7
  TOP w0.102: J2.H37 v3(129.15,164.5) ; v2(122.28,53.98) 121.79,54.47
  18_SIG6 w0.075: v2(122.28,53.98) 122.28,53.67 122.19,53.58 121.99,53.58 121.88,53.68 121.88,67.94 122.09,68.15 126.53,68.15 126.8,68.43 126.8,81.75 126.99,81.93 128.49,81.93 128.78,82.22 128.78,83.11 128.76,83.13 128.76,85.62 128.79,85.65 128.79,88.16 128.76,88.19 128.76,88.84 128.79,88.87 128.79,88.89
  18_SIG6 w0.087: 128.79,88.89 128.79,100.04 128.47,100.35 128.47,104.46 129.28,105.26 129.28,111.36 128.85,111.79 128.85,113.27 130.56,114.99 130.56,121.69 131.46,122.59 131.46,130.23 128.92,132.77 128.26,132.77 127.92,133.12 127.92,140.84 125.04,143.71 122.28,143.71 121.68,144.31 120.11,144.31 119.82,144.6 119.82,144.79 120.1,145.07 120.1,145.48 119.66,145.92 119.24,145.92 118.96,145.65 118.78,145.65 116.7,147.72 116.7,161.01 117.34,161.65 121.15,161.65 123.47,159.32 123.47,153.94 123.76,153.65 128.22,153.65 128.66,154.09 128.66,164.37 128.8,164.5 v3(129.15,164.5)
